# Altium PCB ROBOT1.PcbDoc (part 1 of 7)
Units mm, origin at the board's own origin, x right, y up, seen from the top; angles counter-clockwise.
Board outline 99.4 x 99.07 mm, 2 copper layers (Top Layer, Bottom Layer); 31 components, 29 nets, 151 pads, 0 vias.
Unrouted connection lines stored in the file: 3.
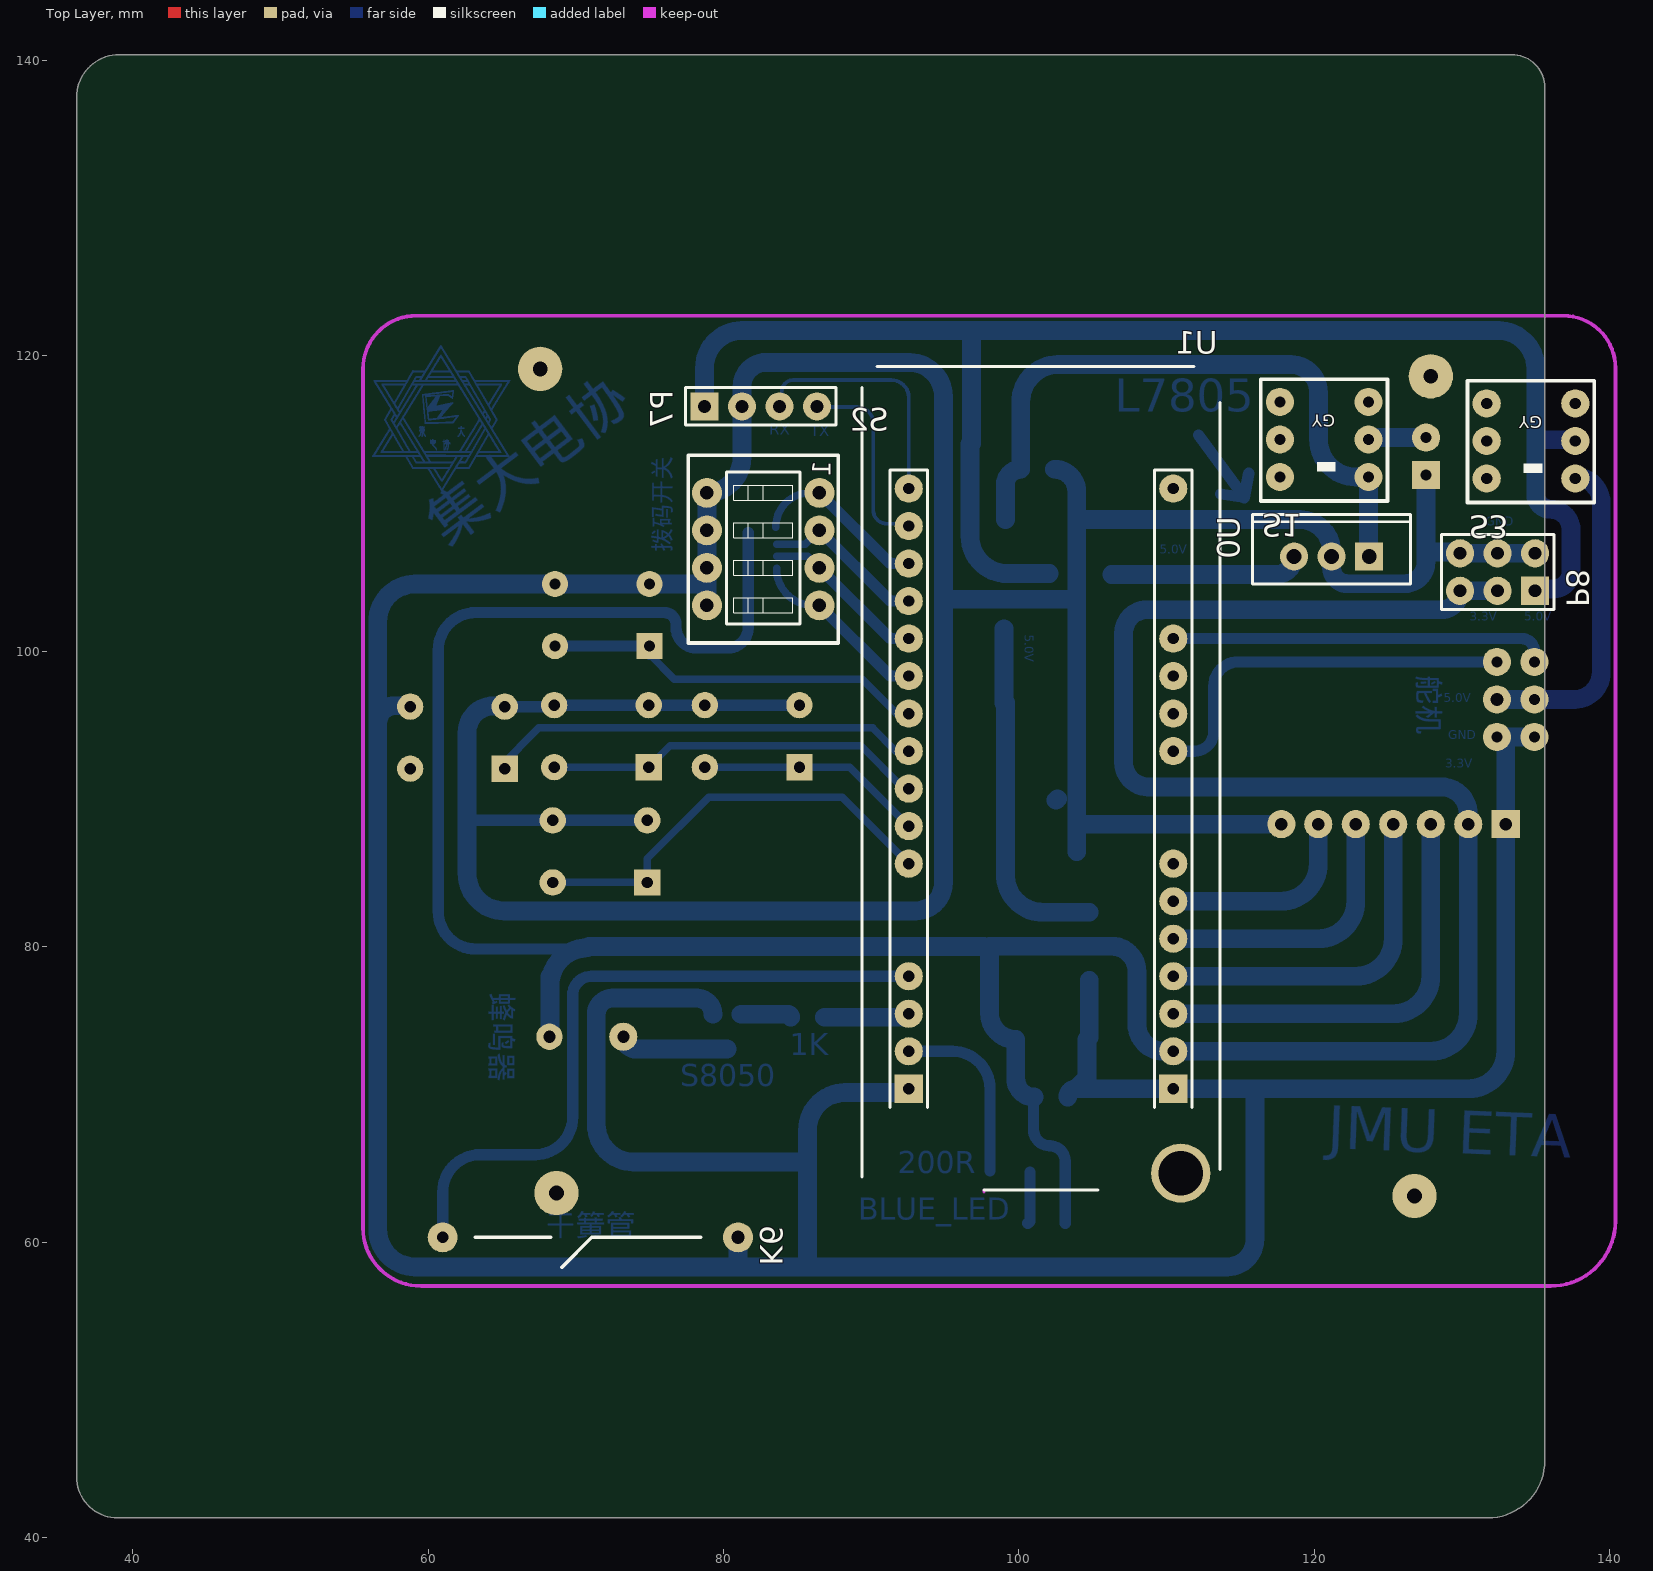
[diagram p0: Top Layer view]
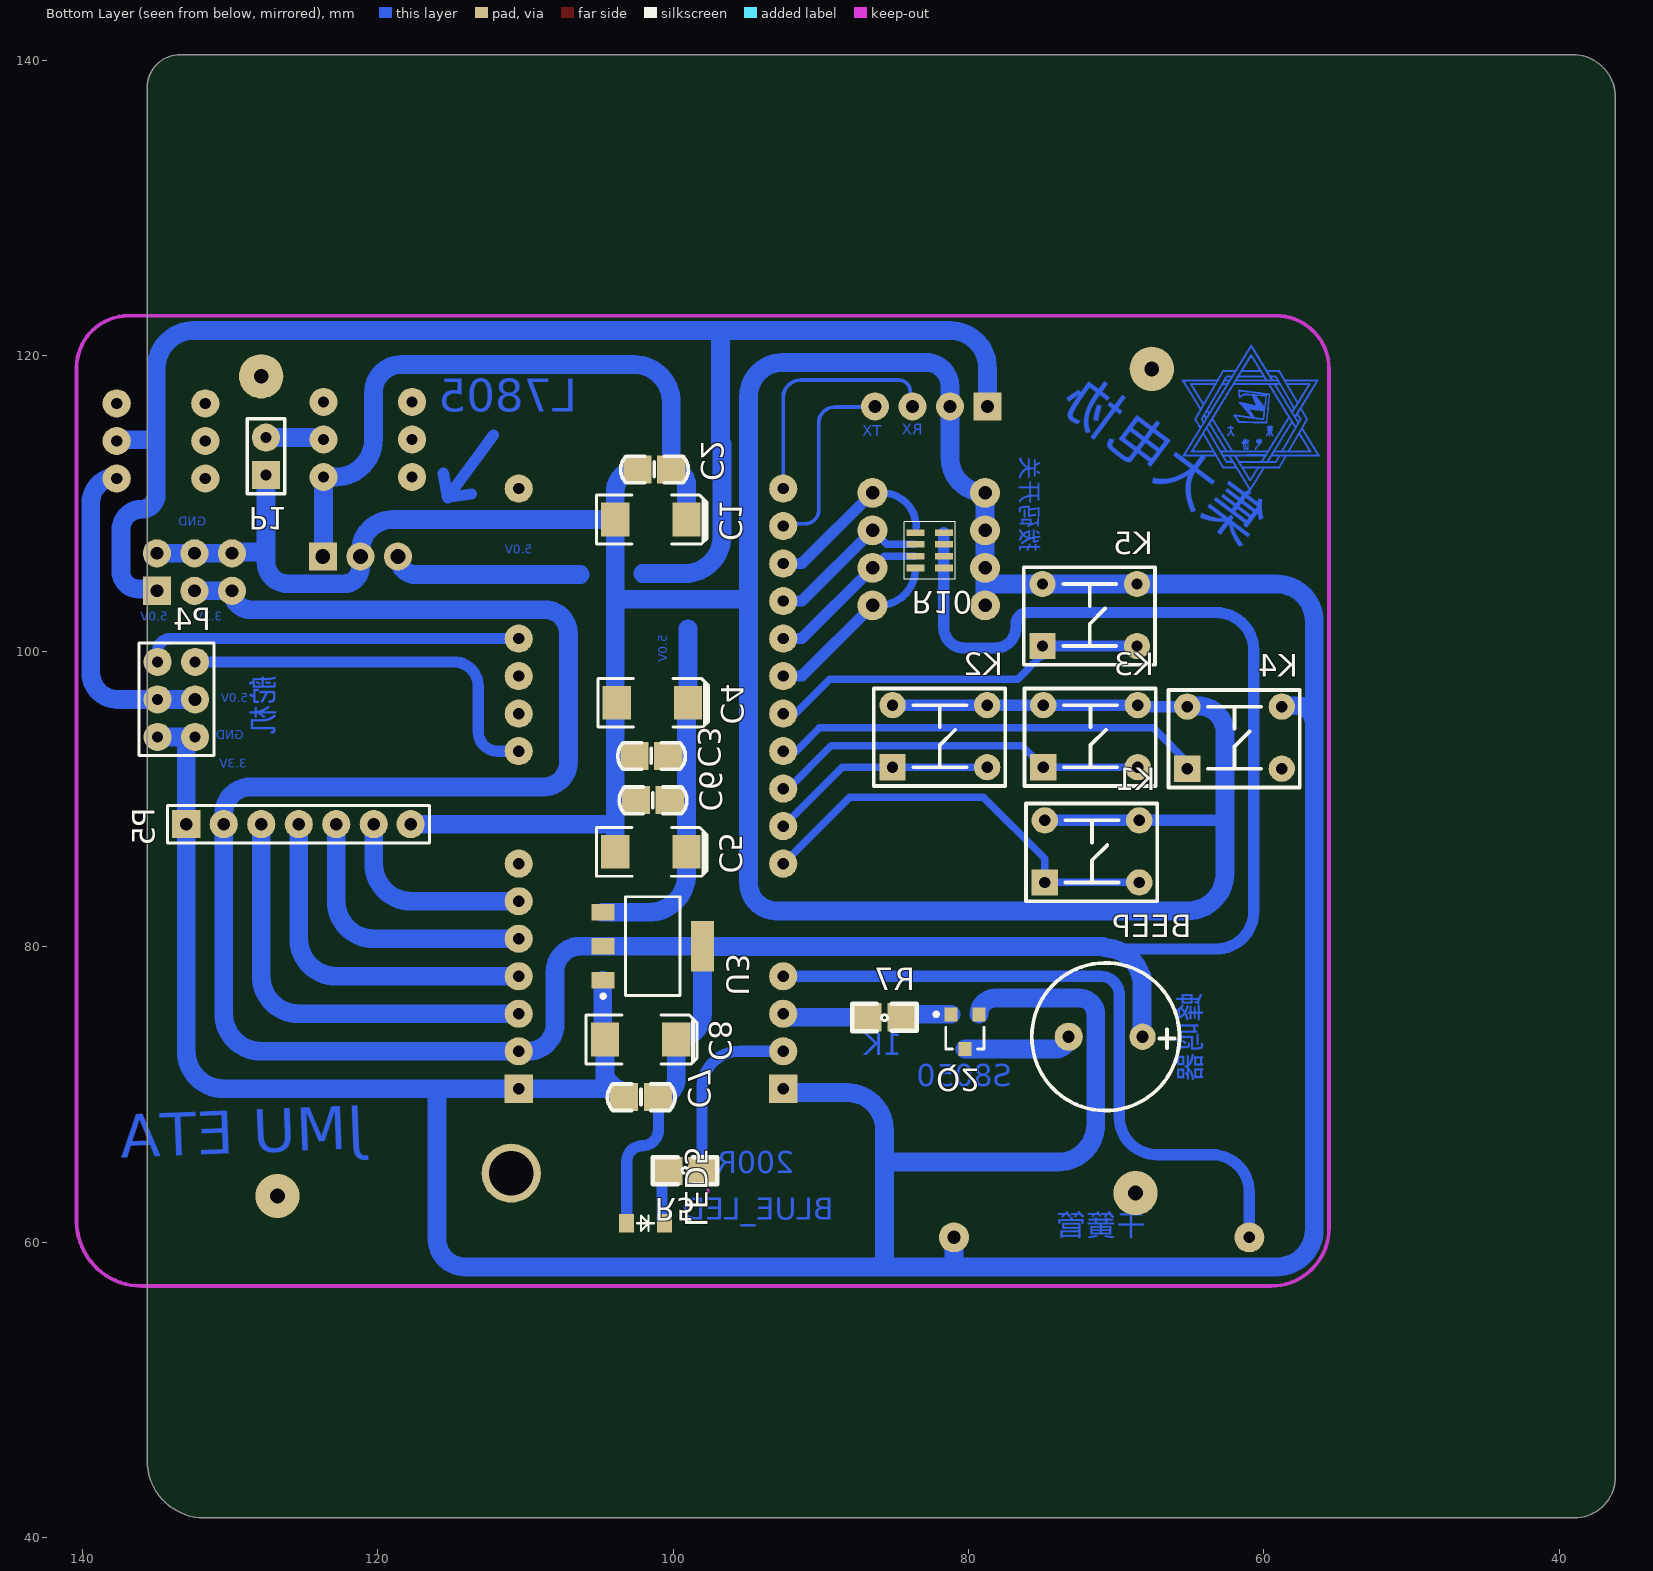
[diagram p1: Bottom Layer view, seen from below]

## Layer stack, top to bottom
Top Solder: solder mask 0.0102, Solder Resist, Dk 3.5
Top Layer: signal copper 0.0356
Dielectric 1: dielectric 0.32, FR-4, Dk 4.8
Bottom Layer: signal copper 0.0356
Bottom Solder: solder mask 0.0102, Solder Resist, Dk 3.5

## Board outline
38.972,41.328 cw(c38.972,44.1) 36.2,44.1 36.2,137.5 cw(c39.1,137.5) 39.1,140.4 133.379,140.4 cw(c133.379,138.179) 135.6,138.179 135.6,45.171 135.6,45.193 cw(c131.757,45.171) 131.779,41.328 131.778,41.328

## Design rules (kind name [scope] priority, off if disabled: settings)
Clearance Clearance_2 [All] p1: gap=0.203
ComponentClearance [All] p1: gap=0 collisioncheckmode=3 verticalgap=0 showdistances=FALSE
DiffPairsRouting [All] p1 off: maxlimit=0.254 minlimit=0.254 mostfreqgap=0.254 toplayer_minwidth=0.381 toplayer_maxwidth=0.381 toplayer_prefwidth=0.254 bottomlayer_minwidth=0.381 bottomlayer_maxwidth=0.381 bottomlayer_prefwidth=0.254 maxuncoupledlength=0.508
PolygonConnect [All] p1: connectstyle=Relief reliefconductorwidth=0.254 reliefentries=4 polygonreliefangle="90 Angle" airgapwidth=0.254
RoutingVias [All] p1: holewidth=0.711 width=1.27 viastyle="Through Hole" minholewidth=0.711 minwidth=1.27 maxholewidth=0.711 maxwidth=1.27
SolderMaskExpansion [All] p1: expansion=0.102
Width [All] p1: maxlimit=7.62 minlimit=0.254 preferedwidth=0.762
28 further rules are at their usual default settings.

## Components (designator, comment, footprint, x,y, rotation, side; value= is the part's Value field where it differs from the comment)
BEEP "BEEP" BUZZER 68.252,73.91 r0 bottom
C1 "22uF" Cap1(47uF) 99.089,108.919 r180 bottom
C2 "103" 0805C 102.289,112.319 r180 bottom
C3 "103" 0805C 102.489,92.919 r180 bottom
C4 "22uF" Cap1(47uF) 98.989,96.519 r180 bottom
C5 "22uF" Cap1(47uF) 99.089,86.419 r180 bottom
C6 "103" 0805C 102.389,89.919 r180 bottom
C7 "103" 0805C 103.189,69.819 r180 bottom
C8 "22uF" Cap1(47uF) 99.789,73.719 r180 bottom
K1 "四脚按键" SW_PB4_DIP 68.438,84.319 r0 bottom
K2 "四脚按键" SW_PB4_DIP 78.738,92.119 r0 bottom
K3 "四脚按键" SW_PB4_DIP 68.538,92.119 r0 bottom
K4 "四脚按键" SW_PB4_DIP 58.789,92.019 r0 bottom
K5 "四脚按键" SW_PB4_DIP 68.589,100.319 r0 bottom
K6 "KEY" 干簧管 60.989,60.319 r0 top
LED5 "LED" 0805LED 103.089,61.219 r180 bottom
P1 "Header 2" "Header 2" 127.589,114.519 r180 bottom
P4 "舵机" "Header 3X2"#1 132.289,99.319 r0 bottom
P5 "OLED" "Header 7" 127.389,87.319 r270 bottom
P7 "UART3" "Header 4" 78.689,116.603 r270 top
P8 "VCC-GND" "Header 3X2"#2 134.989,104.019 r90 top
Q2 "8050" NPN 79.289,75.419 r180 bottom
R5 "1K" 0805R 99.189,64.819 r180 bottom
R7 "1K" 0805R 85.689,75.219 r0 bottom
R10 "RES-4" 排阻(4位贴片) 83.54,105.649 r180 bottom
S1 "六角开关" 六角开关 123.689,111.819 r0 top
S2 "SWICH" 拨码开关*4 82.689,106.919 r180 top
S3 "六角开关" 六角开关 137.689,111.717 r0 top
U0 "L7805" T03B 123.689,106.419 r180 top
U1 "STM32F103C8T6直插)" ST32F103C8T6直插 110.889,116.819 r180 top locked
U3 "AMS1117_3.3/5.0V" SOT-223 104.789,77.819 r90 bottom

## Footprints (in the part's own frame and the unit in brackets; to place one, negate y for a bottom-side part, rotate by r counter-clockwise, add the part's x,y. Pads: shape width x height; smd on the part's side, far side on the other; paste and mask are expansions set on the pad)
0805C [mil]
  rect 75x75 smd: 1(-5,0) 2(85,0)
  silkscreen extent -50,-36 131,35, body extent -16,-26 102,29, height 37
0805LED [mil]
  rect 40x50 smd: 1(-2,2) 2(98,2)
  silkscreen extent 25,-18 71,22, body extent 7,-23 87,27, height 0
0805R [mil]
  rect 75x75 smd: 1(-45,0) 2(45,0)
  silkscreen extent -86,-36 86,37, body extent -38,-25 40,25, height 22
BUZZER [mil]
  round 70 hole 32 mask+0: 1(-1.46,0.35)
  round 75 hole 32 mask+0: 2(195.39,0.35)
  silkscreen extent -100,-196 294,197, body extent -143,-236 330,236, height 354
Cap1(47uF) [mil]
  rect 75x90 smd: 1(0,0) 2(-190,0)
  silkscreen extent -240,-65 55,65, body extent -213,-63 23,63, height 102
"Header 2" [mil]
  rect 75x75 hole 30: 1(0.81,-102.01)
  round 75 hole 30: 2(0.81,-2.01)
  silkscreen extent -49,-152 51,48, body extent -50,-150 50,50, height 336
"Header 3X2"#1 [mil]
  round 75 hole 30: 1(2.94,1.52) 2(102.94,1.52) 4(102.94,101.52) 5(2.94,201.52) 6(102.94,201.52)
  round 75 hole 34: 3(2.94,101.52)
  silkscreen extent -47,-48 153,252, body extent -42,-52 156,252, height 150
"Header 3X2"#2 [mil]
  rect 75x75 hole 34: 1(2.94,1.52)
  round 75 hole 34: 2(102.94,1.52) 3(2.94,101.52) 4(102.94,101.52) 5(2.94,201.52) 6(102.94,201.52)
  silkscreen extent -47,-48 153,252, body extent -42,-52 156,252, height 150
"Header 4" [mil]
  rect 75x75 hole 34: 1(0.95,0.93)
  round 75 hole 34: 2(0.95,100.93) 3(0.95,200.93) 4(0.95,300.93)
  silkscreen extent -49,-49 51,351, body extent -51,-46 49,354, height 336
"Header 7" [mil]
  rect 75x75 hole 34: 1(-38.42,-219.54)
  round 75 hole 34: 2(-38.42,-119.54) 3(-38.42,-19.54) 4(-38.42,80.46) 5(-38.42,180.26) 6(-38.42,280.26) 7(-38.42,378.68)
  silkscreen extent -88,-270 12,429, body extent -88,-271 12,429, height 336
NPN [mm]
  rect 0.9x0.95 smd: 1(-0.001,-0.001) 2(-1.901,-0.001) 3(-0.951,-2.351)
  silkscreen extent -3.03,-2.35 0.35,0.12, body extent -2.47,-2.59 0.43,0.21, height 1.2
SOT-223 [mm]
  rect 1.1x1.55 smd: 1(-0.09,-0.029) 2(2.21,-0.029) 3(4.51,-0.029)
  rect 3.45x1.55 smd: 4(2.21,-6.779)
  silkscreen extent -1.29,-5.25 5.56,0.07, body extent -1.09,-6.83 5.51,0.53, height 0.8
ST32F103C8T6直插 [mil]
  round 157.48 hole 118.11: 0(-2.83,2053.39)
  round 0 all layers, no hole: 0(-2.83,3.39) 0(742.17,2053.39) 0(742.17,3.39) 8(17.17,1128.39) 9(17.17,1028.39) 14(17.17,528.39) 15(17.17,428.39) 16(17.17,328.39) 22(722.17,1428.39) 23(722.17,1328.39)
  rect 75x75 hole 30: 1(17.17,1828.39) 18(722.17,1828.39)
  round 75 hole 30: 2(17.17,1728.39) 3(17.17,1628.39) 4(17.17,1528.39) 5(17.17,1428.39) 6(17.17,1328.39) 7(17.17,1228.39) 10(17.17,928.39) 11(17.17,828.39) 12(17.17,728.39) 13(17.17,628.39) 17(17.17,228.39) 19(722.17,1728.39) 20(722.17,1628.39) 21(722.17,1528.39) 24(722.17,1228.39) 25(722.17,1128.39) 26(722.17,1028.39) 27(722.17,928.39) 28(722.17,828.39) 29(722.17,728.39) 30(722.17,628.39) 31(722.17,528.39) 32(722.17,428.39) 33(722.17,328.39) 34(722.17,228.39)
  Keep-Out Layer lines w8: 522.17,2103.39 522.17,2098.39
  silkscreen extent -108,-97 847,2098
SW_PB4_DIP [mil]
  rect 70x70 hole 30: 1(251.98,-1.32)
  round 70 hole 30: 2(251.98,-166.68) 3(0.02,-166.68) 4(0.02,-1.32)
  silkscreen extent -48,-211 302,49, body extent -37,-207 288,49, height 138
T03B [mm]
  rect 1.905x1.905 hole 1: 1(-0.025,0)
  round 1.905 hole 1: 2(2.515,0) 3(5.055,0)
  silkscreen extent -2.84,-2.85 7.86,1.85, body extent -2.54,-2.92 7.62,1.65, height 3.81
六角开关 [mil]
  round 75 hole 30: 1(-0.63,-0.71) 2(-0.63,99.29) 3(-0.63,199.29) 4(-236.85,199.29) 5(-236.85,99.29) 6(-236.85,-0.71)
  silkscreen extent -288,-65 50,260, body extent -287,-69 47,266, height 138
干簧管 [mil]
  round 80 hole 30: 1(0,0)
  round 80 hole 35.43: 2(787.4,0)
  silkscreen extent 87,-80 687,0
拨码开关*4 [mil]
  round 80 hole 36: 1(-150,-150) 2(-150,-50) 3(-150,50) 4(-150,150) 5(150,150) 6(150,50) 7(150,-50) 8(150,-150)
  silkscreen extent -200,-250 200,250, body extent -197,-220 193,220, height 146
排阻(4位贴片) [mm]
  rect 1.22x0.45 smd: 1(-0.051,-0.013) 2(1.869,-0.013) 3(-0.051,0.787) 4(1.869,0.787) 5(-0.051,1.587) 6(1.869,1.587) 7(-0.051,2.387) 8(1.869,2.387)
  silkscreen extent -0.81,-0.76 2.64,3.14, body extent 0.1,-0.41 1.7,2.79

## Part data
C1 C4 C5 C8: library part Cap1(100uF)
C2 C3 C6 C7: library part C1
K1 K2 K3 K4 K5: library part Key(四脚)
K6: library part 干簧管
P4 P8: library part "Header 3X2"
P5: library part "Header 7"
P7: library part "Header 4"
Q2: library part Q2
R5 R7: library part R1
S2: library part 拨码开关(4位), "拨码开关（4位）"
U3: library part AMS1117-3.3V/5.0V

## Free pads (board coordinates)
  round 3 hole 1: 0(67.589,119.119) 0(126.789,63.119) 0(127.889,118.619) 1(68.689,63.319)

## Nets (pads, with @x,y where several pads share a name; then routed paths per layer and width w, separated by ;. In a path a pad name is that pad's centre, name@x,y a point inside that pad or via, vN(x,y) a via of type N, cw(c..) or ccw(c..) an arc to the next point about the centre after c; other vN are vias at no path point)
3.3V: BEEP.1 C7.2 C8.1 LED5.1 P5.2 P8.3 P8.5 R10.2 R10.4 R10.6 R10.8 U1.2 U3.2 U3.4 | length 230.3
  Bottom Layer w0.762: 70.158,79.838 63.229,79.838 cw(c63.229,82.378) 60.689,82.378 60.689,100.079 cw(c63.229,100.079) 63.229,102.619 75.989,102.619 cw(c75.989,101.819) 76.789,101.819 76.789,101.619 ccw(c78.189,101.619) 78.189,100.219 80.289,100.219 ccw(c80.289,101.6) 81.671,101.6 R10.2@81.671,105.636 R10.4@81.671,106.436 R10.6@81.671,107.236 R10.8@81.671,108.036 ; C7.2@101.03,69.819 ccw(c101.03,69.778) 100.989,69.778 100.989,67.619 ccw(c102.089,67.619) 102.089,66.519 cw(c102.089,65.468) 103.14,65.468 LED5.1@103.14,61.27
  Bottom Layer w1.27: BEEP.1@68.252,73.91 68.252,77.979 ; 68.252,77.379 cw(c70.792,77.379) 70.158,79.838 cw(c70.792,77.379) 70.792,79.919 ; 70.892,80.019 U3.4@97.62,80.019 ; C7.2@101.03,69.819 cw(c101.03,71.06) 99.789,71.06 C8.1@99.789,73.719 cw(c99.789,75.497) 98.011,75.497 U3.4@98.011,80.029 U3.2@104.761,80.029 106.279,80.029 cw(c106.279,78.319) 107.989,78.319 107.989,74.758 ccw(c109.829,74.758) 109.829,72.918 U1.2@110.453,72.918 127.886,72.918 ccw(c127.886,75.458) 130.426,75.458 P5.2@130.426,88.295 130.426,88.982 ccw(c128.589,88.982) 128.589,90.819 108.758,90.819 cw(c108.758,92.488) 107.089,92.488 107.089,101.219 cw(c108.689,101.219) 108.689,102.819 128.596,102.819 ccw(c128.596,104.094) P8.5@129.871,104.094 P8.3@132.411,104.094
5.0V: C3.2 C4.1 C5.1 C6.2 P7.1 P8.1 S3.2 U0.3 U3.3 | length 140.4
  Bottom Layer w1.27: P7.1@78.713,116.579 78.713,119.179 cw(c81.253,119.179) 81.253,121.719 96.789,121.719 ; C4.1@98.989,96.519 98.989,101.519 ; C4.1@99.089,96.519 C5.1@99.089,86.419 99.089,84.869 ccw(c101.629,84.869) 99.34,83.768 ccw(c101.629,84.869) 100.529,82.579 ccw(c101.629,84.869) 101.629,82.329 U3.3@104.761,82.329 ; 102.057,105.258 99.229,105.258 cw(c99.229,107.798) 96.689,107.798 96.689,114.019 ccw(c96.689,114.119) 96.789,114.119 96.789,121.719 ; 106.289,105.192 117.408,105.192 ccw(c117.408,106.419) U0.3@118.635,106.419 ; P8.1@134.951,104.094 cw(c135.076,104.094) 135.076,104.219 136.189,104.219 ccw(c136.189,105.419) 137.389,105.419 137.389,108.219 ccw(c135.989,108.219) 135.989,109.619 cw(c135.989,110.619) 134.989,110.619 134.989,114.319 ; S3.2@137.673,114.341 cw(c137.651,114.341) 137.651,114.319 134.989,114.319 ; 96.789,121.719 132.449,121.719 cw(c132.449,119.179) 134.989,119.179 134.989,114.319
7.2V: C1.1 C2.2 S1.1 U0.1 | length 44.6
  Bottom Layer w1.27: C1.1@99.089,108.919 99.089,111.278 cw(c100.13,111.278) C2.2@100.13,112.319 100.13,116.879 cw(c102.67,116.879) 102.67,119.419 118.389,119.419 cw(c118.389,117.519) 120.289,117.519 120.289,114.341 ccw(c122.829,114.341) 122.829,111.801 S1.1@123.673,111.801 U0.1@123.673,106.419
BEEP: R7.2 U1.20 | length 5.9
  Bottom Layer w1.27: R7.2@86.832,75.219 92.307,75.219 ccw(c92.307,75.458) U1.20@92.546,75.458
GND: C1.2 C2.1 C3.1 C4.2 C5.2 C6.1 C7.1 C8.2 K1.2 K1.3 K2.2 K2.3 K3.2 K3.3 K4.2 K4.3 K5.2 K5.3 K6.2 P1.1 P4.5 P4.6 P5.1 P5.7 P7.2 P8.2 P8.4 P8.6 Q2.1 S2.5 S2.6 S2.7 S2.8 U0.2 U1.1 U1.18 U3.1 | length 491.1
  Bottom Layer w0.762: 62.639,88.819 ccw(c62.905,88.819) 62.905,88.552 K1.3@68.439,88.552 K1.2@74.839,88.552 ; K4.2@64.441,96.252 68.439,96.252 ccw(c68.439,96.352) K3.3@68.539,96.352 K3.2@74.939,96.352 K2.3@78.739,96.352 K2.2@85.139,96.352
  Bottom Layer w1.27: K4.3@58.79,96.252 cw(c58.856,96.252) 58.856,96.319 57.763,96.319 ccw(c57.763,95.145) 56.589,95.145 ; K4.2@64.441,96.301 ccw(c64.441,94.499) 62.639,94.499 62.639,88.819 62.639,84.959 ccw(c65.179,84.959) 65.179,82.419 92.989,82.419 ccw(c92.989,84.319) 94.889,84.319 94.889,103.419 ; S2.5@78.879,103.109 S2.6@78.879,104.719 ; Q2.1@79.29,75.418 ccw(c78.19,75.418) 78.19,76.519 72.489,76.519 ccw(c72.489,75.419) 71.389,75.419 71.389,67.959 ccw(c73.929,67.959) 73.929,65.419 85.689,65.419 ; K6.2@80.989,60.319 80.989,58.519 cw(c80.789,58.519) 80.789,58.319 ; U1.18@92.546,70.378 cw(c92.287,70.378) 92.287,70.119 88.229,70.119 ccw(c88.229,67.579) 85.689,67.579 85.689,65.419 ; C2.1@102.416,112.319 cw(c102.416,110.82) 103.915,110.82 C1.2@103.915,108.919 ; C6.1@102.516,89.919 C6.1@102.616,90.019 ; C7.1@103.316,69.819 cw(c103.875,69.819) C7.1@103.875,70.378 ; C5.2@103.915,86.419 103.915,88.295 ; U3.1@104.761,77.729 104.761,73.864 C8.2@104.615,73.719 104.615,71.118 C7.1@103.875,70.378 ; P5.7@117.771,88.295 103.915,88.295 ; U0.2@121.175,106.133 121.175,105.669 ccw(c122.267,105.669) 122.267,104.577 126.106,104.577 ccw(c126.106,106.039) 127.569,106.039 127.569,106.719 ; U0.2@121.175,106.733 ccw(c118.989,106.733) 118.989,108.919 C1.2@103.915,108.919 ; P1.1@127.569,111.928 127.569,106.719 ; P4.6@134.904,94.2 P4.5@132.364,94.2 cw(c132.364,93.599) 132.966,93.599 P5.1@132.966,88.295 132.966,72.918 cw(c130.426,72.918) 130.426,70.378 116.089,70.378 ; P8.2@134.951,106.634 P8.4@132.411,106.634 P8.6@129.871,106.634 ccw(c129.785,106.634) 129.785,106.719 127.569,106.719 ; 56.589,95.145 56.589,102.012 cw(c59.129,102.012) 59.129,104.552 K5.3@68.59,104.552 K5.2@74.99,104.552 78.713,104.552 ccw(c78.713,104.719) S2.6@78.879,104.719 ; 56.589,95.145 56.589,60.859 ccw(c59.129,60.859) 59.129,58.319 80.789,58.319 ; S2.6@78.879,104.719 S2.6@78.879,105.649 S2.7@78.879,108.189 S2.8@78.879,110.729 ccw(c78.879,113.102) 81.253,113.102 P7.2@81.253,116.579 81.253,117.928 cw(c82.883,117.928) 82.883,119.558 92.583,119.558 cw(c92.583,117.252) 94.889,117.252 94.889,103.419 ; 80.789,58.319 85.989,58.319 ; 85.689,65.419 85.689,58.619 ccw(c85.989,58.619) 85.989,58.319 ; 85.989,58.319 114.089,58.319 ccw(c114.089,60.219) 115.989,60.219 115.989,70.278 cw(c116.089,70.278) 116.089,70.378 ; 94.889,103.419 cw(c94.989,103.419) 94.989,103.519 103.915,103.519 ; C7.1@103.875,70.378 U1.1@110.453,70.378 116.089,70.378 ; 103.915,88.295 103.915,103.519 ; 103.915,103.519 C1.2@103.915,108.919
KEY1: K1.1 K1.4 U1.24 | length 29.2
  Bottom Layer w0.508: K1.4@68.439,84.352 74.572,84.352 74.839,84.619 74.839,85.968 78.989,90.119 88.045,90.119 U1.24@92.546,85.618
KEY2: K2.1 K2.4 U1.25 | length 15.5
  Bottom Layer w0.508: K2.4@78.739,92.152 K2.1@85.139,92.152 88.552,92.152 U1.25@92.546,88.158
KEY3: K3.1 K3.4 U1.26 | length 25.8
  Bottom Layer w0.508: K3.4@68.539,92.152 K3.1@74.939,92.152 76.405,93.619 89.289,93.619 92.21,90.698 U1.26@92.546,90.698
KEY4: K4.1 K4.4 U1.27 | length 29.5
  Bottom Layer w0.508: K4.1@64.839,92.152 67.505,94.819 90.089,94.819 91.67,93.238 U1.27@92.546,93.238
KEY5: K5.1 K5.4 U1.28 | length 26.7
  Bottom Layer w0.508: K5.1@74.99,100.352 74.99,99.802 76.672,98.119 89.389,98.119 91.73,95.778 U1.28@92.546,95.778
  Bottom Layer w0.762: K5.4@68.59,100.352 K5.1@74.99,100.352 ; K5.1@74.639,100.152 K5.1@74.99,99.802
LED0: R5.2 U1.19 | length 12.5
  Bottom Layer w0.762: U1.19@92.546,72.918 95.506,72.918 cw(c95.506,70.378) 98.046,70.378 R5.2@98.046,64.819
NetBEEP_2: BEEP.2 Q2.3 | length 7.5
  Bottom Layer w1.27: BEEP.2@73.252,73.91 ccw(c74.094,73.91) 74.094,73.068 Q2.3@80.24,73.068
NetK6_1: K6.1 U1.21 | length 46.5
  Bottom Layer w0.762: K6.1@60.989,60.319 60.989,63.379 cw(c63.529,63.379) 63.529,65.919 67.249,65.919 ccw(c67.249,68.459) 69.789,68.459 69.789,76.719 cw(c71.068,76.719) 71.068,77.998 U1.21@92.546,77.998
NetLED5_2: LED5.2 R5.1 | length 3.5
  Bottom Layer w0.762: LED5.2@100.6,61.27 100.746,61.416 R5.1@100.746,64.719
NetP1_2: P1.2 S1.2 | length 3.9
  Bottom Layer w1.27: S1.2@123.673,114.341 123.8,114.468 P1.2@127.569,114.468
NetP4_1: P4.1 U1.10 | length 26.7
  Bottom Layer w0.762: U1.10@110.453,93.238 111.889,93.238 ccw(c111.889,94.538) 113.189,94.538 113.189,97.619 cw(c114.851,97.619) 114.851,99.28 P4.1@132.364,99.28
NetP4_2: P4.2 U1.13 | length 24.9
  Bottom Layer w0.762: U1.13@110.453,100.858 134.05,100.858 cw(c134.05,100.004) P4.2@134.904,100.004
NetP5_3: P5.3 U1.3 | length 29.2
  Bottom Layer w1.27: U1.3@110.453,75.458 125.346,75.458 ccw(c125.346,77.998) 127.886,77.998 P5.3@127.886,88.295
NetP5_4: P5.4 U1.4 | length 24.1
  Bottom Layer w1.27: U1.4@110.453,77.998 122.806,77.998 ccw(c122.806,80.538) 125.346,80.538 P5.4@125.346,88.295
NetP5_5: P5.5 U1.5 | length 19
  Bottom Layer w1.27: U1.5@110.453,80.538 120.271,80.538 ccw(c120.271,83.078) 122.811,83.078 P5.5@122.811,88.295
NetP5_6: P5.6 U1.6 | length 13.9
  Bottom Layer w1.27: U1.6@110.453,83.078 117.731,83.078 ccw(c117.731,85.618) 120.271,85.618 P5.6@120.271,88.295
NetQ2_2: Q2.2 R7.1 | length 3.5
  Bottom Layer w1.27: Q2.2@81.19,75.418 84.347,75.418 cw(c84.347,75.219) R7.1@84.546,75.219
NetR10_1: R10.1 S2.4 U1.29 | length 12.4
  Bottom Layer w0.508: R10.1@83.591,105.636 83.591,105.598 ccw(c86.08,105.598) 86.08,103.109 S2.4@86.499,103.109
  Bottom Layer w0.762: S2.4@86.499,103.109 91.29,98.318 U1.29@92.546,98.318
NetR10_3: R10.3 S2.3 U1.30 | length 11.3
  Bottom Layer w0.508: R10.3@83.591,106.436 85.712,106.436 S2.3@86.499,105.649
  Bottom Layer w0.762: S2.3@86.499,105.649 91.29,100.858 U1.30@92.546,100.858
NetR10_5: R10.5 S2.2 U1.31 | length 11.3
  Bottom Layer w0.508: R10.5@83.591,107.236 85.547,107.236 S2.2@86.499,108.189
  Bottom Layer w0.762: S2.2@86.499,108.189 91.29,103.398 U1.31@92.546,103.398
NetR10_7: R10.7 S2.1 U1.32 | length 12.3
  Bottom Layer w0.508: 83.54,108.406 cw(c85.863,108.406) 85.863,110.729 S2.1@86.499,110.729
  Bottom Layer w0.762: S2.1@86.499,110.729 91.29,105.938 U1.32@92.546,105.938
SER_5.0V: P4.3 P4.4 S3.1 | length 22.3
  Bottom Layer w1.27: P4.3@132.364,96.74 P4.4@134.904,96.74 137.611,96.74 ccw(c137.611,98.554) 139.424,98.554 139.424,110.05 ccw(c137.673,110.05) S3.1@137.673,111.801
UART3_RX: P7.3 U1.34 | length 17
  Bottom Layer w0.254: P7.3@83.793,116.579 ccw(c83.793,116.733) 83.947,116.733 83.947,117.584 cw(c84.727,117.584) 84.727,118.364 91.364,118.364 cw(c91.364,117.182) 92.546,117.182 U1.34@92.546,111.018
UART3_TX: P7.4 U1.33 | length 13.4
  Bottom Layer w0.254: P7.4@86.333,116.579 ccw(c86.376,116.579) 86.376,116.535 89.052,116.535 cw(c89.052,115.443) 90.145,115.443 90.145,109.55 ccw(c91.059,109.55) 91.059,108.636 92.388,108.636 cw(c92.388,108.478) U1.33@92.546,108.478
pads on no net: S1.3 S1.4 S1.5 S1.6 S3.3 S3.4 S3.5 S3.6 U1.0 U1.7 U1.8 U1.9 U1.11 U1.12 U1.14 U1.15 U1.16 U1.17 U1.22 U1.23
copper on no net: | length 1142.7